# KiCad board RefleXion Grid.kicad_pcb
title: RefleXion - Ortho 65 Matrix; date: 2022-09-26; rev: 1.0.0; company: Tweety's Wild Thinking; note: Design: Markus Knutsson <markus.knutsson@tweety.se>; note: Concept: Pedro Quaresma <pq@live.ie>; note: https://github.com/TweetyDaBird; note: Licensed under Creative Commons BY-SA 4.0 International
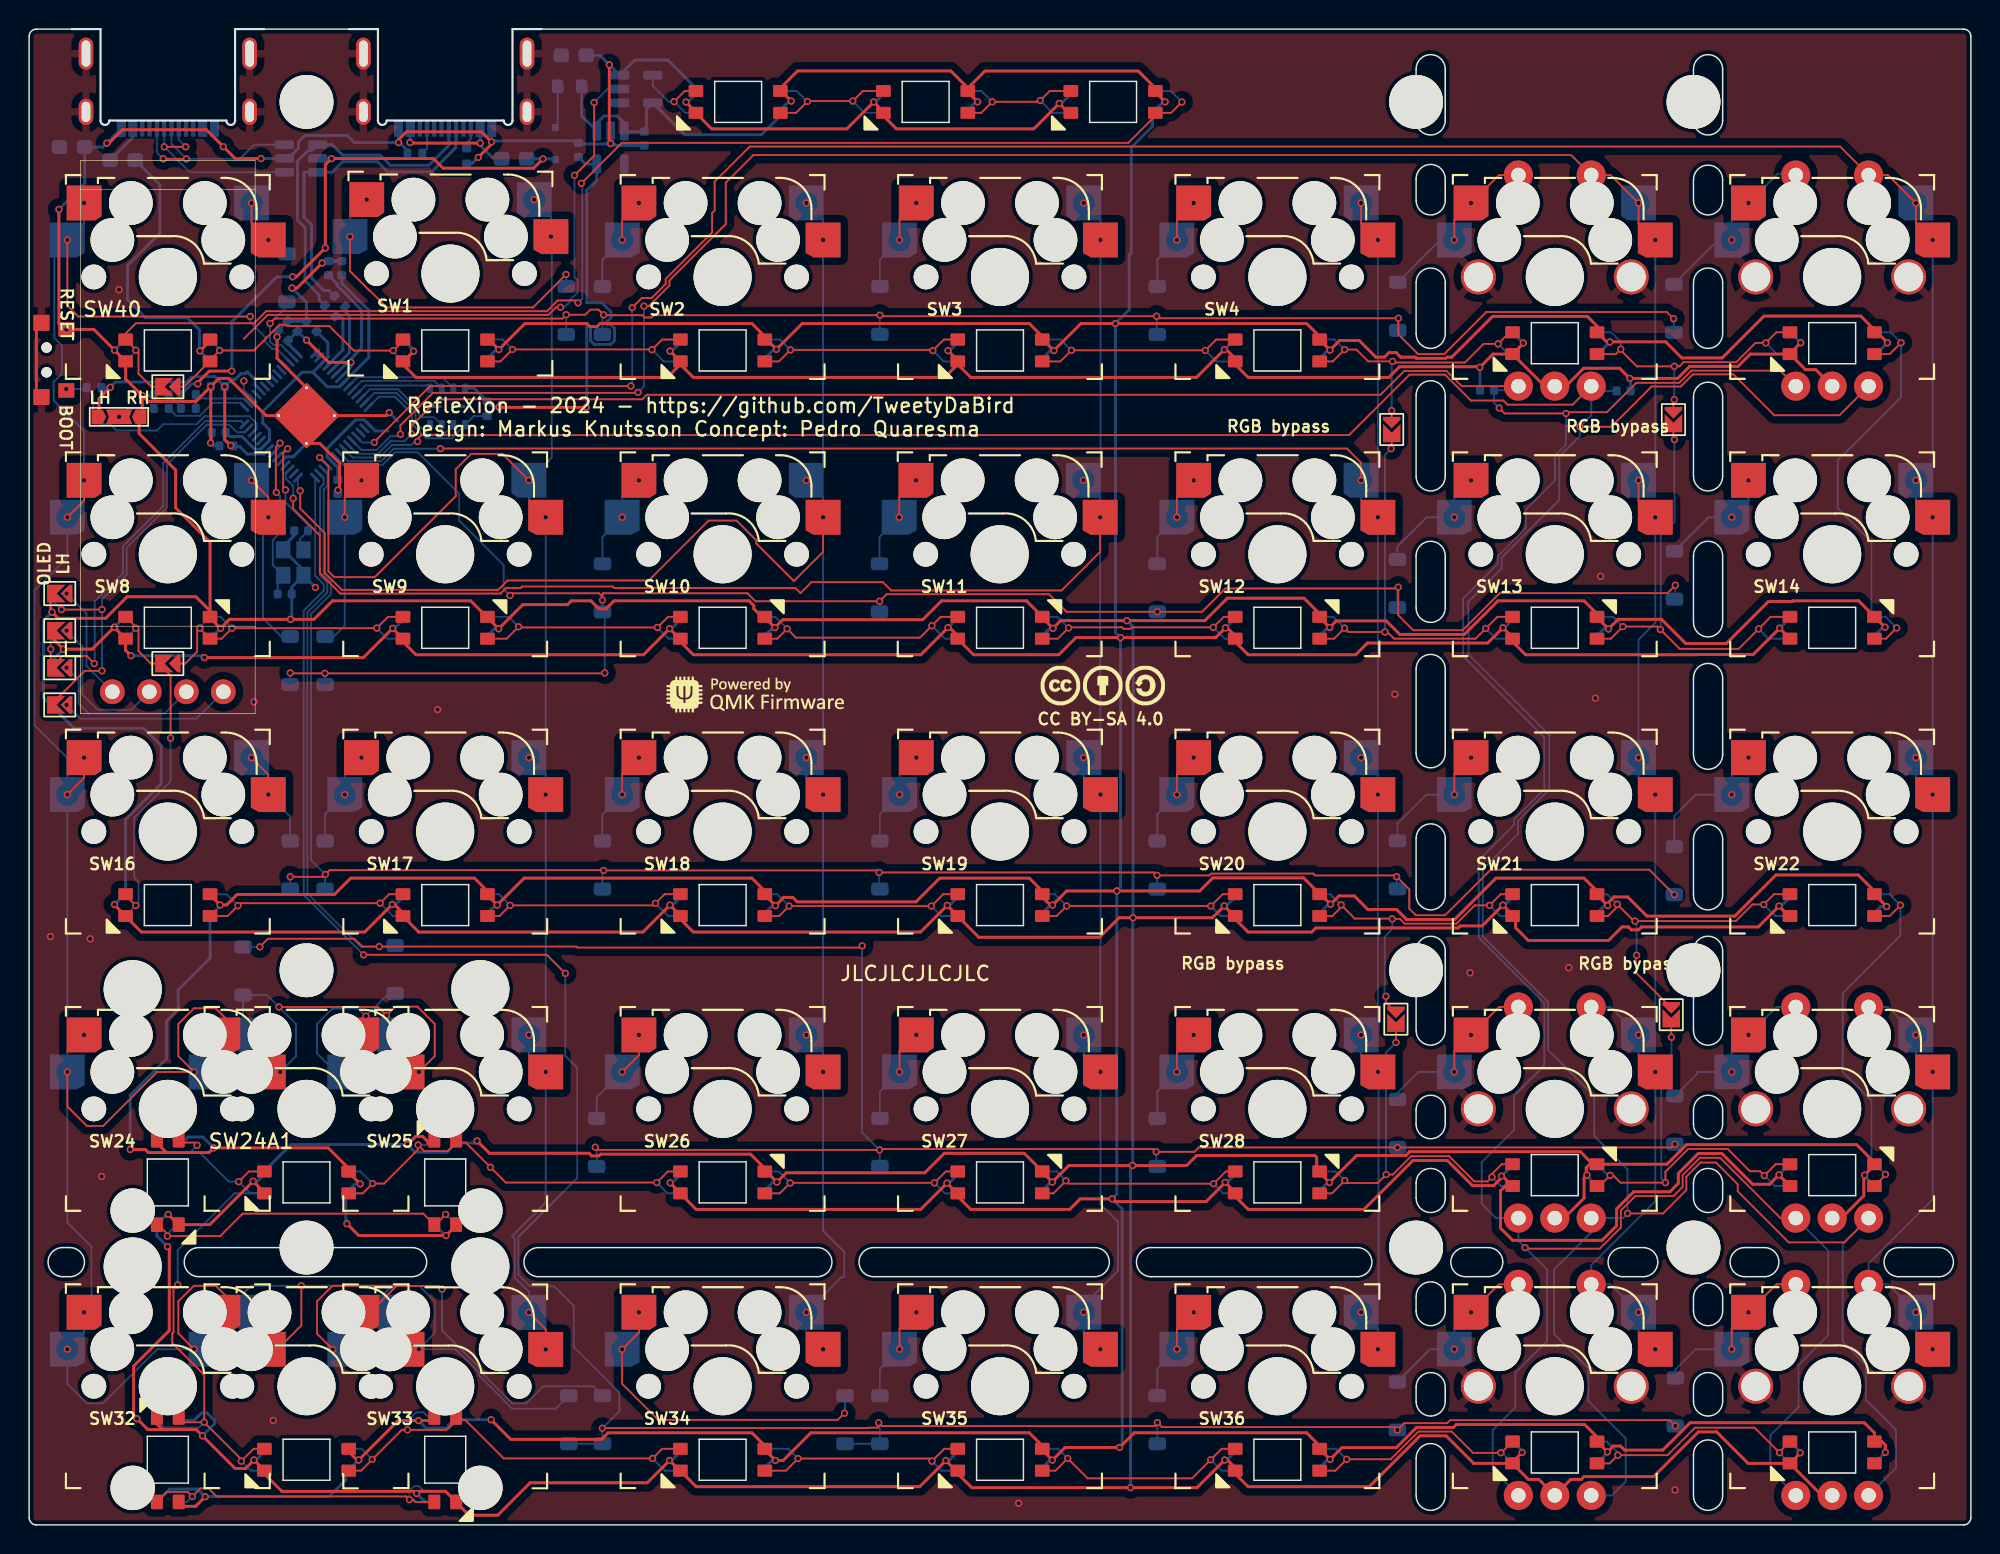
[diagram p0: board, top side]
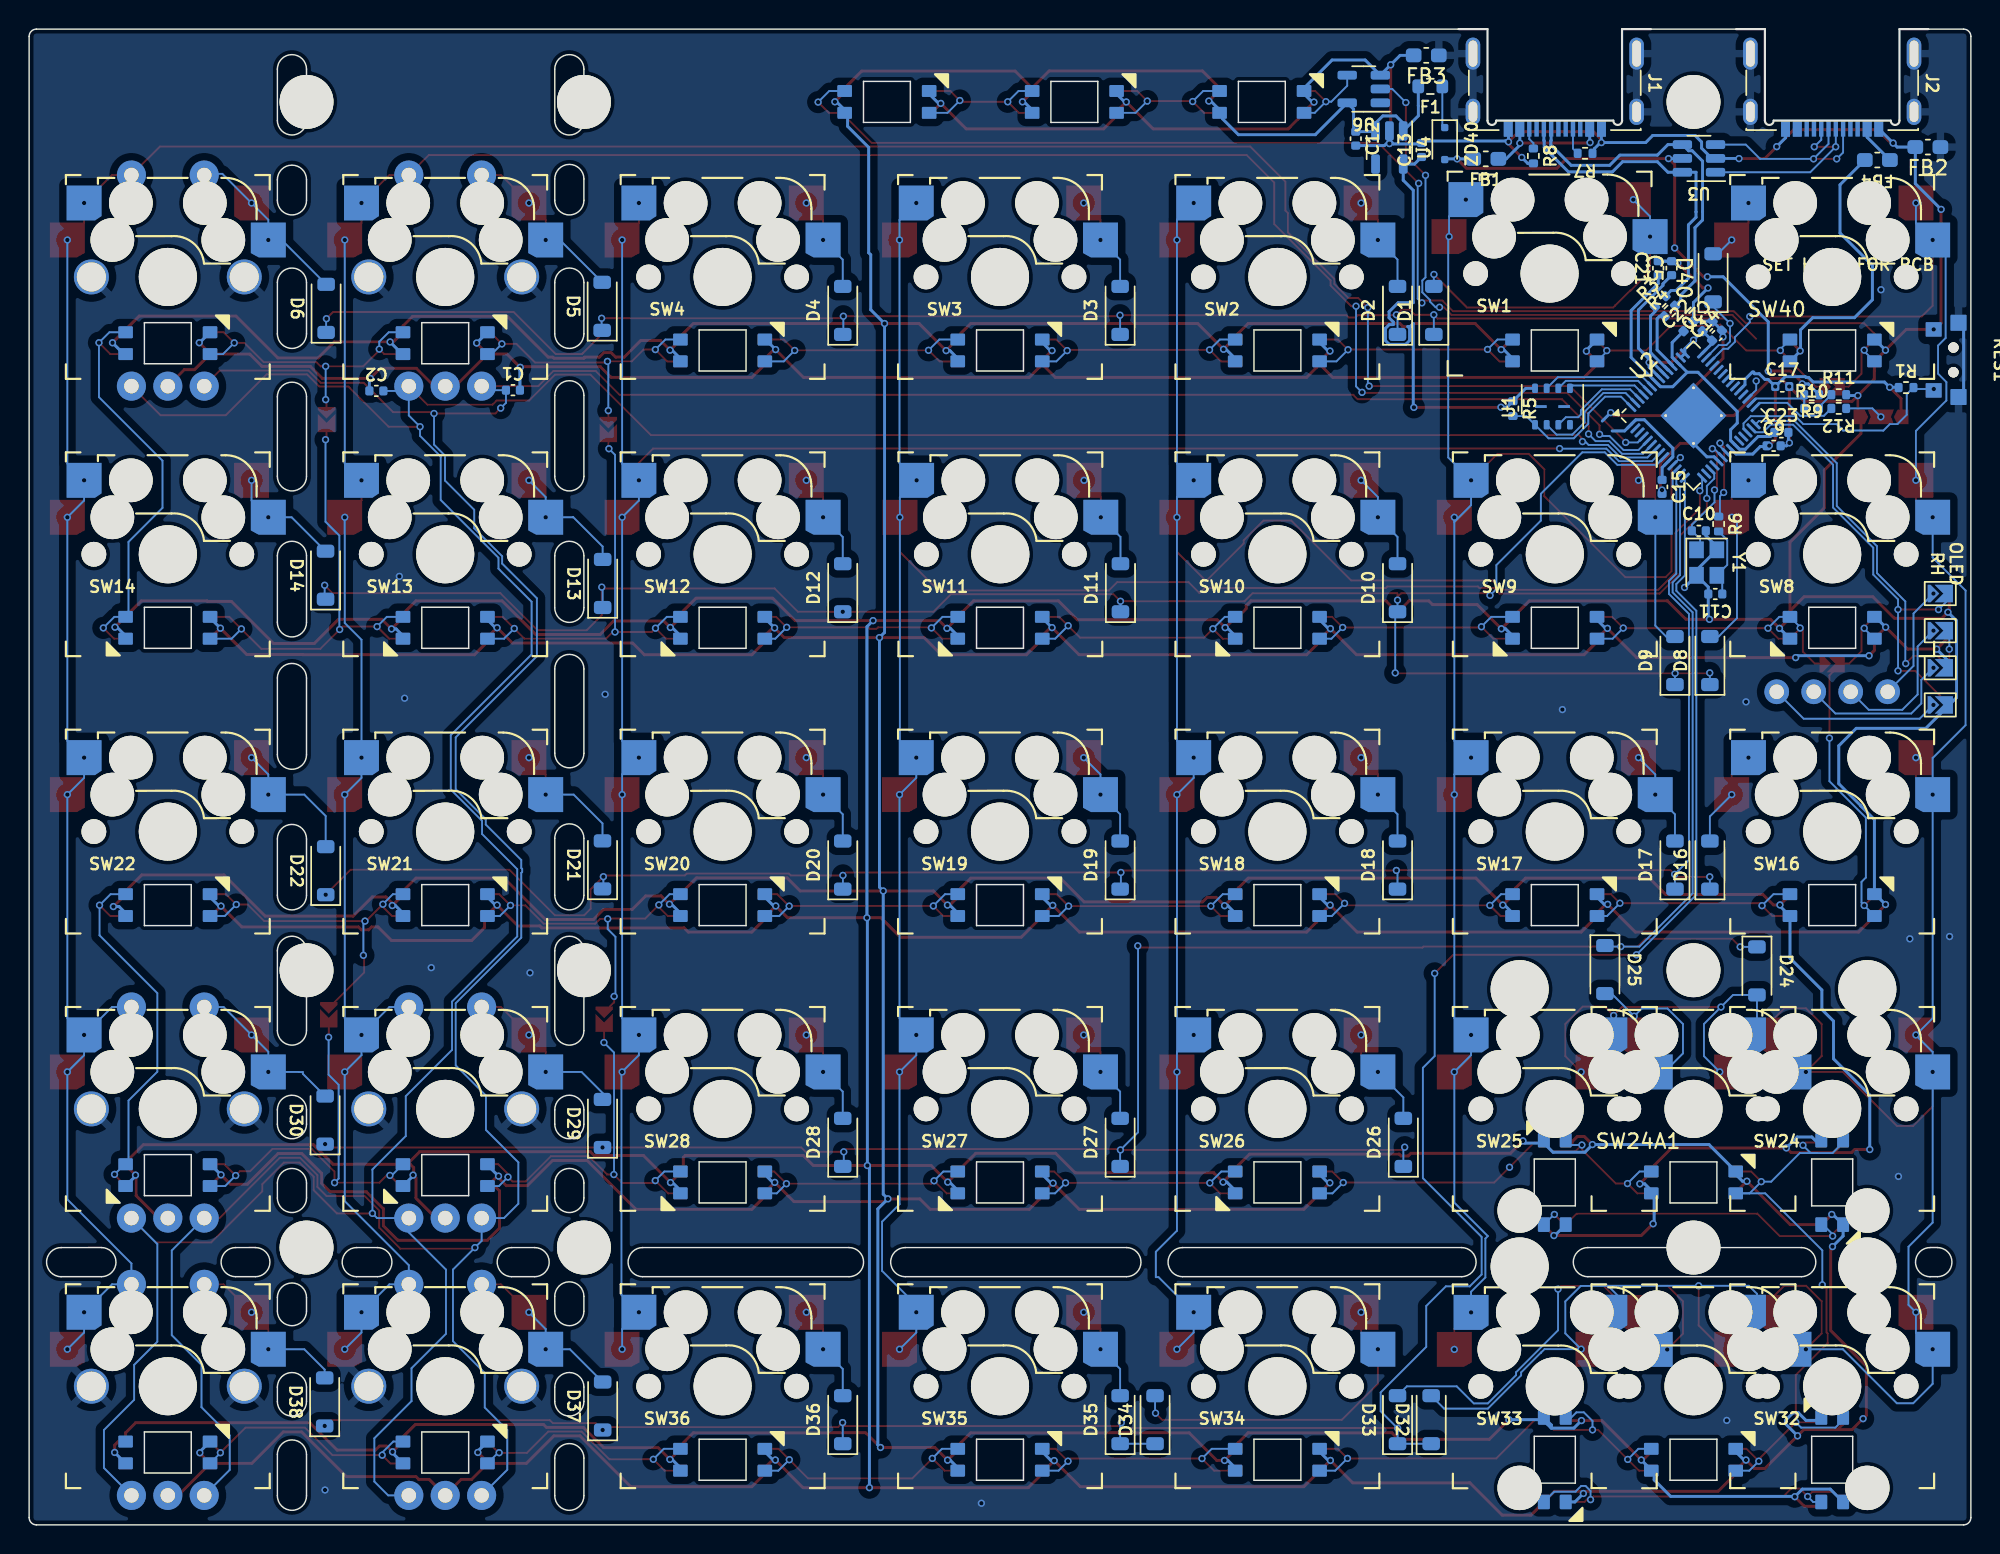
[diagram p1: board, bottom side, seen from below]

Outline 133.35 x 102.75 mm; copper layers: Top, Bottom. Coordinates in mm from the lower left corner of the outline.
Outline path: 2.3,17.05 arc(1.3,18.05) 2.3,19.05 2.8,19.05 arc(3.8,18.05) 2.8,17.05 2.3,17.05 ; 2.93,102.75 0.5,102.75 arc(0.15,102.6) 0,102.25 0,0.5 arc(0.15,0.15) 0.5,0 132.85,0 arc(133.2,0.15) 133.35,0.5 133.35,102.25 arc(133.2,102.6) 132.85,102.75 35.18,102.75 ; 21.98,102.75 16.13,102.75 ; 97.25,23.49 arc(96.25,24.49) 95.25,23.49 95.25,22.46 arc(96.25,21.46) 97.25,22.46 97.25,23.48 ; 11.65,19.05 26.3,19.05 arc(27.3,18.05) 26.3,17.05 11.65,17.05 arc(10.65,18.05) 11.65,19.05 ; 34.98,19.05 54.13,19.05 arc(55.13,18.05) 54.13,17.05 34.98,17.05 arc(33.98,18.05) 34.98,19.05 ; 57.99,19.05 73.18,19.05 arc(74.18,18.05) 73.18,17.05 57.99,17.05 arc(56.99,18.05) 57.99,19.05 ; 77.04,19.05 91.22,19.05 arc(92.22,18.05) 91.22,17.05 77.04,17.05 arc(76.04,18.05) 77.04,19.05 ; 95.25,100 arc(96.25,101) 97.25,100 97.25,96.48 arc(96.25,95.48) 95.25,96.48 95.25,100 ; 95.25,92.46 arc(96.25,93.46) 97.25,92.46 97.25,90.99 arc(96.25,89.99) 95.25,90.99 95.25,92.46 ; 95.25,85.34 arc(96.25,86.34) 97.25,85.34 97.25,81.82 arc(96.25,80.82) 95.25,81.82 95.25,85.34 ; 95.25,77.6 arc(96.25,78.6) 97.25,77.6 97.25,72.03 arc(96.25,71.03) 95.25,72.03 95.25,77.6 ; 95.25,66.57 arc(96.25,67.57) 97.25,66.57 97.25,63 arc(96.25,62) 95.25,63 95.25,66.57 ; 95.25,58.8 arc(96.25,59.8) 97.25,58.8 97.25,53.01 arc(96.25,52.01) 95.25,53.01 95.25,58.8 ; 95.25,47.16 arc(96.25,48.16) 97.25,47.16 97.25,43.25 arc(96.25,42.25) 95.25,43.25 95.25,47.16 ; 95.25,39.44 arc(96.25,40.44) 97.25,39.44 97.25,33.96 arc(96.25,32.96) 95.25,33.96 95.25,39.44 ; 95.25,15.7 95.25,14.68 arc(96.25,13.68) 97.25,14.68 97.25,15.7 arc(96.25,16.7) 95.25,15.7 ; 95.25,28.51 95.25,27.53 arc(96.25,26.53) 97.25,27.53 97.25,28.51 arc(96.25,29.52) 95.25,28.51 ; 95.25,9.46 95.25,8.48 arc(96.25,7.48) 97.25,8.48 97.25,9.46 arc(96.25,10.47) 95.25,9.46 ; 95.25,4.59 95.25,2 arc(96.25,1) 97.25,2 97.25,4.59 arc(96.25,5.59) 95.25,4.59 ; 98.63,19.05 100.21,19.05 arc(101.21,18.05) 100.21,17.05 98.63,17.05 arc(97.63,18.05) 98.63,19.05 ; 109.43,19.05 110.85,19.05 arc(111.85,18.05) 110.85,17.05 109.43,17.05 arc(108.43,18.05) 109.43,19.05 ; 114.3,92.41 arc(115.3,93.41) 116.3,92.41 116.3,90.99 arc(115.3,89.99) 114.3,90.99 114.3,92.41 ; 114.3,100 arc(115.3,101) 116.3,100 116.3,96.48 arc(115.3,95.48) 114.3,96.48 114.3,100 ; 114.3,85.34 arc(115.3,86.34) 116.3,85.34 116.3,81.82 arc(115.3,80.82) 114.3,81.82 114.3,85.34 ; 114.3,77.5 arc(115.3,78.5) 116.3,77.5 116.3,72.03 arc(115.3,71.03) 114.3,72.03 114.3,77.5 ; 114.3,66.57 arc(115.3,67.57) 116.3,66.57 116.3,62 arc(115.3,61) 114.3,62 114.3,66.57 ; 114.3,58.18 arc(115.3,59.18) 116.3,58.18 116.3,52.91 arc(115.3,51.91) 114.3,52.91 114.3,58.18 ; 114.3,47.12 arc(115.3,48.12) 116.3,47.12 116.3,43.25 arc(115.3,42.25) 114.3,43.25 114.3,47.12 ; 114.3,39.44 arc(115.3,40.44) 116.3,39.44 116.3,33.96 arc(115.3,32.96) 114.3,33.96 114.3,39.44 ; 114.3,14.68 114.3,15.62 arc(115.3,16.62) 116.3,15.62 116.3,14.68 arc(115.3,13.68) 114.3,14.68 ; 114.3,23.49 114.3,22.46 arc(115.3,21.46) 116.3,22.46 116.3,23.49 arc(115.3,24.49) 114.3,23.49 ; 114.3,2 114.3,4.84 arc(115.3,5.84) 116.3,4.84 116.3,2 arc(115.3,1) 114.3,2 ; 114.3,28.51 114.3,27.53 arc(115.3,26.53) 116.3,27.53 116.3,28.51 arc(115.3,29.52) 114.3,28.51 ; 114.3,9.46 114.3,8.48 arc(115.3,7.48) 116.3,8.48 116.3,9.46 arc(115.3,10.47) 114.3,9.46 ; 117.81,17.05 arc(116.81,18.05) 117.81,19.05 119.17,19.05 arc(120.17,18.05) 119.17,17.05 117.81,17.05 ; 128.39,19.05 131.15,19.05 arc(132.15,18.05) 131.15,17.05 128.39,17.05 arc(127.39,18.05) 128.39,19.05
Stack: Top 0.035mm / dielectric 1.51mm FR4 er 4.5 / Bottom 0.035mm

## Placement (name value [footprint] x y rotation side)
C1  100nF  [C_0402_1005Metric]  100.12 77.95 180 bottom
C2  100nF  [C_0402_1005Metric]  109.5 77.9 180 bottom
C5  100nF  [C_0402_1005Metric]  20.55 86.33 90 bottom
C9  100nF  [C_0402_1005Metric]  13.54 74.13 180 bottom
C10  30pF  [C_0402_1005Metric]  18.68 68.29 180 bottom
C11  30pF  [C_0402_1005Metric]  17.55 63.95 0 bottom
C12  1uF  [C_0402_1005Metric]  42.24 95.23 270 bottom
C13  1uF  [C_0402_1005Metric]  37.72 94.45 90 bottom
C14  1uF  [C_0402_1005Metric]  17.43 81.7 135 bottom
C15  100nF  [C_0402_1005Metric]  21.2 71.31 270 bottom
C17  100nF  [C_0402_1005Metric]  12.95 78.2 180 bottom
C20  100nF  [C_0402_1005Metric]  18.08 82.35 135 bottom
C21  1uF  [C_0402_1005Metric]  21.47 86.33 90 bottom
C22  100nF  [C_0402_1005Metric]  19.39 82.34 135 bottom
C23  100nF  [C_0402_1005Metric]  13.01 75.05 180 bottom
D1  1N4148W  [D_SOD-123]  36.88 83.43 90 bottom
D2  1N4148W  [D_SOD-123]  39.38 83.43 90 bottom
D3  1N4148W  [D_SOD-123]  58.43 83.43 90 bottom
D4  1N4148W  [D_SOD-123]  77.47 83.43 90 bottom
D5  1N4148W  [D_SOD-123]  93.99 83.71 90 bottom
D6  1N4148W  [D_SOD-123]  112.95 83.57 90 bottom
D8  1N4148W  [D_SOD-123]  17.92 59.38 90 bottom
D9  1N4148W  [D_SOD-123]  20.33 59.38 90 bottom
D10  1N4148W  [D_SOD-123]  39.38 64.38 90 bottom
D11  1N4148W  [D_SOD-123]  58.4 64.38 90 bottom
D12  1N4148W  [D_SOD-123]  77.47 64.38 90 bottom
D13  1N4148W  [D_SOD-123]  93.96 64.67 90 bottom
D14  1N4148W  [D_SOD-123]  112.99 65.24 90 bottom
D16  1N4148W  [D_SOD-123]  17.92 45.33 90 bottom
D17  1N4148W  [D_SOD-123]  20.33 45.33 90 bottom
D18  1N4148W  [D_SOD-123]  39.38 45.33 90 bottom
D19  1N4148W  [D_SOD-123]  58.43 45.33 90 bottom
D20  1N4148W  [D_SOD-123]  77.47 45.33 90 bottom
D21  1N4148W  [D_SOD-123]  93.97 45.34 90 bottom
D22  1N4148W  [D_SOD-123]  112.98 44.94 90 bottom
D24  1N4148W  [D_SOD-123]  14.69 38.05 270 bottom
D25  1N4148W  [D_SOD-123]  25.13 38.15 270 bottom
D26  1N4148W  [D_SOD-123]  38.98 26.28 90 bottom
D27  1N4148W  [D_SOD-123]  58.43 26.28 90 bottom
D28  1N4148W  [D_SOD-123]  77.47 26.28 90 bottom
D29  1N4148W  [D_SOD-123]  93.97 27.58 90 bottom
D30  1N4148W  [D_SOD-123]  113.02 27.81 90 bottom
D32  1N4148W  [D_SOD-123]  37.06 7.23 90 bottom
D33  1N4148W  [D_SOD-123]  39.38 7.23 90 bottom
D34  1N4148W  [D_SOD-123]  56.03 7.23 90 bottom
D35  1N4148W  [D_SOD-123]  58.43 7.23 90 bottom
D36  1N4148W  [D_SOD-123]  77.47 7.23 90 bottom
D37  1N4148W  [D_SOD-123]  93.96 8.17 90 bottom
D38  1N4148W  [D_SOD-123]  113.05 8.45 90 bottom
D40  1N4148W  [D_SOD-123]  17.7 85.67 90 bottom
F1  CF06V5TR50  [R_0603_1608Metric]  37.12 98.82 0 bottom
FB1  BLM18SG700TZ1D  [C_0603_1608Metric_Pad1.08x0.95mm_HandSolder]  33.31 93.84 0 bottom
FB2  BLM18SG700TZ1D  [C_0603_1608Metric_Pad1.08x0.95mm_HandSolder]  2.95 94.65 0 bottom
FB3  BLM18SG700TZ1D  [C_0603_1608Metric_Pad1.08x0.95mm_HandSolder]  37.4 100.95 0 bottom
FB4  BLM18SG700TZ1D  [C_0603_1608Metric_Pad1.08x0.95mm_HandSolder]  6.42 93.76 0 bottom
H1  Spacer_PCB  [Spacer PCB hole]  19.05 97.75 0 top
H2  Spacer_PCB  [Spacer PCB hole]  95.25 97.75 0 top
H3  Spacer_PCB  [Spacer PCB hole]  114.3 97.75 0 top
H4  Spacer_PCB  [Spacer PCB hole]  19.05 38.1 0 top
H4#2  Spacer_PCB  [Spacer PCB hole]  19.05 19.05 0 top
H6  Spacer_PCB  [Spacer PCB hole]  95.25 38.1 0 top
H7  Spacer_PCB  [Spacer PCB hole]  114.3 38.1 0 top
H8  Spacer_PCB  [Spacer PCB hole]  114.3 19.05 0 top
H9  Spacer_PCB  [Spacer PCB hole]  95.25 19.05 0 top
J1  USB_C_Receptacle_USB2.0  [Molex-216990_GCT-USB45xx_HRO-TYPE-C-31-M-13x-PiMicro]  28.58 102.25 0 bottom
J2  USB_C_Receptacle_USB2.0  [Molex-216990_GCT-USB45xx_HRO-TYPE-C-31-M-13x-PiMicro]  9.53 102.25 0 bottom
JP1  Jumper_2_Open  [Jumper_min_v2]  2.1 63.98 0 bottom
JP2  Jumper_2_Open  [Jumper_min_v2]  2.1 61.43 0 bottom
JP3  Jumper_2_Open  [Jumper_min_v2]  2.1 58.88 0 bottom
JP4  Jumper_2_Open  [Jumper_min_v2]  2.1 56.33 0 bottom
JP5  Jumper_2_Open  [Jumper_min_v2]  2.1 63.98 0 top
JP6  Jumper_2_Open  [Jumper_min_v2]  2.1 61.43 0 top
JP7  Jumper_2_Open  [Jumper_min_v2]  2.1 58.88 0 top
JP8  Jumper_2_Open  [Jumper_min_v2]  2.1 56.33 0 top
JP12  Jumper_3_Open  [SolderJumper-3_open_mini]  6.18 76.12 180 top
JP15  Jumper_2_Open  [Jumper_min_v2]  112.92 75.93 90 top
JP16  Jumper_2_Open  [Jumper_min_v2]  93.57 75.25 90 top
JP17  Jumper_2_Open  [Jumper_min_v2]  93.86 34.74 90 top
JP18  Jumper_2_Open  [Jumper_min_v2]  112.77 35.05 90 top
JP19  Jumper_2_Open  [Jumper_min_v2]  9.53 78.19 0 top
JP20  Jumper_2_Open  [Jumper_min_v2]  9.53 59.17 0 top
LED1  SK6812MINI-E  [MX_SK6812MINI-E_REVERSIBLE_SMALL_PAD]  28.58 80.68 180 top
LED2  SK6812MINI-E  [MX_SK6812MINI-E_REVERSIBLE_SMALL_PAD]  47.62 80.68 180 top
LED3  SK6812MINI-E  [MX_SK6812MINI-E_REVERSIBLE_SMALL_PAD]  66.68 80.68 180 top
LED4  SK6812MINI-E  [MX_SK6812MINI-E_REVERSIBLE_SMALL_PAD]  85.72 80.68 180 top
LED5  SK6812MINI-E  [MX_SK6812MINI-E_REVERSIBLE_SMALL_PAD]  104.78 81.18 180 top
LED6  SK6812MINI-E  [MX_SK6812MINI-E_REVERSIBLE_SMALL_PAD]  123.83 81.18 180 top
LED8  SK6812MINI-E  [MX_SK6812MINI-E_REVERSIBLE_SMALL_PAD]  9.53 61.63 0 top
LED9  SK6812MINI-E  [MX_SK6812MINI-E_REVERSIBLE_SMALL_PAD]  28.58 61.63 0 top
LED10  SK6812MINI-E  [MX_SK6812MINI-E_REVERSIBLE_SMALL_PAD]  47.62 61.63 0 top
LED11  SK6812MINI-E  [MX_SK6812MINI-E_REVERSIBLE_SMALL_PAD]  66.68 61.63 0 top
LED12  SK6812MINI-E  [MX_SK6812MINI-E_REVERSIBLE_SMALL_PAD]  85.72 61.63 0 top
LED13  SK6812MINI-E  [MX_SK6812MINI-E_REVERSIBLE_SMALL_PAD]  104.78 61.63 0 top
LED14  SK6812MINI-E  [MX_SK6812MINI-E_REVERSIBLE_SMALL_PAD]  123.83 61.63 0 top
LED16  SK6812MINI-E  [MX_SK6812MINI-E_REVERSIBLE_SMALL_PAD]  9.53 42.58 180 top
LED17  SK6812MINI-E  [MX_SK6812MINI-E_REVERSIBLE_SMALL_PAD]  28.58 42.58 180 top
LED18  SK6812MINI-E  [MX_SK6812MINI-E_REVERSIBLE_SMALL_PAD]  47.62 42.58 180 top
LED19  SK6812MINI-E  [MX_SK6812MINI-E_REVERSIBLE_SMALL_PAD]  66.68 42.58 180 top
LED20  SK6812MINI-E  [MX_SK6812MINI-E_REVERSIBLE_SMALL_PAD]  85.72 42.58 180 top
LED21  SK6812MINI-E  [MX_SK6812MINI-E_REVERSIBLE_SMALL_PAD]  104.78 42.58 180 top
LED22  SK6812MINI-E  [MX_SK6812MINI-E_REVERSIBLE_SMALL_PAD]  123.83 42.58 180 top
LED24  SK6812MINI-E  [MX_SK6812MINI-E_REVERSIBLE_SMALL_PAD]  9.53 23.53 270 top
LED24A1  SK6812MINI-E  [MX_SK6812MINI-E_REVERSIBLE_SMALL_PAD]  19.05 23.53 180 top
LED25  SK6812MINI-E  [MX_SK6812MINI-E_REVERSIBLE_SMALL_PAD]  28.58 23.53 90 top
LED26  SK6812MINI-E  [MX_SK6812MINI-E_REVERSIBLE_SMALL_PAD]  47.62 23.53 0 top
LED27  SK6812MINI-E  [MX_SK6812MINI-E_REVERSIBLE_SMALL_PAD]  66.68 23.53 0 top
LED28  SK6812MINI-E  [MX_SK6812MINI-E_REVERSIBLE_SMALL_PAD]  85.72 23.53 0 top
LED29  SK6812MINI-E  [MX_SK6812MINI-E_REVERSIBLE_SMALL_PAD]  104.78 24.03 0 top
LED30  SK6812MINI-E  [MX_SK6812MINI-E_REVERSIBLE_SMALL_PAD]  123.83 24.03 0 top
LED32  SK6812MINI-E  [MX_SK6812MINI-E_REVERSIBLE_SMALL_PAD]  9.53 4.48 90 top
LED32A1  SK6812MINI-E  [MX_SK6812MINI-E_REVERSIBLE_SMALL_PAD]  19.05 4.48 180 top
LED33  SK6812MINI-E  [MX_SK6812MINI-E_REVERSIBLE_SMALL_PAD]  28.58 4.48 270 top
LED34  SK6812MINI-E  [MX_SK6812MINI-E_REVERSIBLE_SMALL_PAD]  47.62 4.48 180 top
LED35  SK6812MINI-E  [MX_SK6812MINI-E_REVERSIBLE_SMALL_PAD]  66.68 4.48 180 top
LED36  SK6812MINI-E  [MX_SK6812MINI-E_REVERSIBLE_SMALL_PAD]  85.72 4.48 180 top
LED37  SK6812MINI-E  [MX_SK6812MINI-E_REVERSIBLE_SMALL_PAD]  104.78 4.98 180 top
LED38  SK6812MINI-E  [MX_SK6812MINI-E_REVERSIBLE_SMALL_PAD]  123.83 4.98 180 top
LED40  SK6812MINI-E  [MX_SK6812MINI-E_REVERSIBLE_SMALL_PAD]  9.53 80.68 180 bottom
LED44  SK6812MINI-E  [MX_SK6812MINI-E_REVERSIBLE_SMALL_PAD]  48.69 97.75 180 top
LED45  SK6812MINI-E  [MX_SK6812MINI-E_REVERSIBLE_SMALL_PAD]  61.57 97.75 180 top
LED46  SK6812MINI-E  [MX_SK6812MINI-E_REVERSIBLE_SMALL_PAD]  74.44 97.75 180 top
Logo1  CC-BY-SA-4.0  [CC_BY_SA_40_line]  82.77 57.74 0 top
Logo2  QMK_Logo  [Powered_by_QMK]  49.89 57.06 0 top
OLED1  OLED_4pin  [SSD1306-0.91-OLED-4pin-128x32]  9.53 75.73 270 top
R1  10K  [R_0402_1005Metric]  4.45 78.13 180 bottom
R3  27R  [R_0402_1005Metric]  21.34 84.05 135 bottom
R4  27R  [R_0402_1005Metric]  20.67 83.38 135 bottom
R5  10K  [R_0402_1005Metric]  31.45 76.68 270 bottom
R6  1K  [R_0402_1005Metric]  17.32 68.76 270 bottom
R7  5.1K  [R_0402_1005Metric]  26.49 94.22 0 bottom
R8  5.1K  [R_0402_1005Metric]  30.04 94.04 270 bottom
R9  68K  [R_0402_1005Metric]  10.93 77.64 0 bottom
R10  68K  [R_0402_1005Metric]  10.93 76.7 180 bottom
R11  68K  [R_0402_1005Metric]  9.07 77.64 180 bottom
R12  10K  [R_0402_1005Metric]  9.07 76.7 0 bottom
RES1  YTSA010  [YTS-A002]  1.2 80.03 270 bottom
RES2  YTSA010  [YTS-A002]  1.2 80.03 90 top
ST1  Stabilizer_2u_MX  [Stabilizer_Cherry_MX_2.00u]  19.05 28.58 180 top
ST2  Stabilizer_2u_MX  [Stabilizer_Cherry_MX_2.00u]  19.05 9.53 180 top
SW1  SW_Push  [SW_MX_HotSwap_Reversible]  28.93 85.96 0 top
SW2  SW_Push  [SW_MX_HotSwap_Reversible]  47.62 85.73 0 top
SW3  SW_Push  [SW_MX_HotSwap_Reversible]  66.68 85.73 0 top
SW4  SW_Push  [SW_MX_HotSwap_Reversible]  85.72 85.73 0 top
SW5  SW_Push  [SW_MX_HotSwap_Reversible_Encoder]  104.78 85.73 0 top
SW6  SW_Push  [SW_MX_HotSwap_Reversible_Encoder]  123.83 85.73 0 top
SW8  SW_Push  [SW_MX_HotSwap_Reversible]  9.53 66.68 0 top
SW9  SW_Push  [SW_MX_HotSwap_Reversible]  28.57 66.68 0 top
SW10  SW_Push  [SW_MX_HotSwap_Reversible]  47.62 66.68 0 top
SW11  SW_Push  [SW_MX_HotSwap_Reversible]  66.65 66.68 0 top
SW12  SW_Push  [SW_MX_HotSwap_Reversible]  85.72 66.68 0 top
SW13  SW_Push  [SW_MX_HotSwap_Reversible]  104.78 66.68 0 top
SW14  SW_Push  [SW_MX_HotSwap_Reversible]  123.83 66.68 0 top
SW16  SW_Push  [SW_MX_HotSwap_Reversible]  9.53 47.63 0 top
SW17  SW_Push  [SW_MX_HotSwap_Reversible]  28.58 47.63 0 top
SW18  SW_Push  [SW_MX_HotSwap_Reversible]  47.62 47.63 0 top
SW19  SW_Push  [SW_MX_HotSwap_Reversible]  66.68 47.63 0 top
SW20  SW_Push  [SW_MX_HotSwap_Reversible]  85.72 47.63 0 top
SW21  SW_Push  [SW_MX_HotSwap_Reversible]  104.78 47.63 0 top
SW22  SW_Push  [SW_MX_HotSwap_Reversible]  123.83 47.63 0 top
SW24  SW_Push  [SW_MX_HotSwap_Reversible]  9.53 28.58 0 top
SW24A1  SW_Push  [SW_MX_HotSwap_Reversible]  19.05 28.58 0 top
SW25  SW_Push  [SW_MX_HotSwap_Reversible]  28.58 28.58 0 top
SW26  SW_Push  [SW_MX_HotSwap_Reversible]  47.62 28.58 0 top
SW27  SW_Push  [SW_MX_HotSwap_Reversible]  66.68 28.58 0 top
SW28  SW_Push  [SW_MX_HotSwap_Reversible]  85.72 28.58 0 top
SW29  SW_Push  [SW_MX_HotSwap_Reversible_Encoder]  104.78 28.58 0 top
SW30  SW_Push  [SW_MX_HotSwap_Reversible_Encoder]  123.83 28.58 0 top
SW32  SW_Push  [SW_MX_HotSwap_Reversible]  9.53 9.53 0 top
SW32A1  SW_Push  [SW_MX_HotSwap_Reversible]  19.05 9.53 0 top
SW33  SW_Push  [SW_MX_HotSwap_Reversible]  28.58 9.52 0 top
SW34  SW_Push  [SW_MX_HotSwap_Reversible]  47.62 9.53 0 top
SW35  SW_Push  [SW_MX_HotSwap_Reversible]  66.68 9.53 0 top
SW36  SW_Push  [SW_MX_HotSwap_Reversible]  85.72 9.53 0 top
SW37  SW_Push  [SW_MX_HotSwap_Reversible_Encoder]  104.78 9.53 0 top
SW38  SW_Push  [SW_MX_HotSwap_Reversible_Encoder]  123.83 9.53 0 top
SW40  SW_Push  [SW_MX_HotSwap_Reversible]  9.53 85.73 0 top
U1  W25Q32JVUUIQ  [USON-8_4x3mm_P0.8mm]  28.73 76.82 90 bottom
U2  RP2040  [QFN-56-1EP_7x7mm_P0.4mm_EP3.2x3.2mm_ThermalVias]  19.05 76.2 135 bottom
U3  SRV05-4  [SOT-23-6]  18.67 93.87 0 bottom
U4  SPX3819M5-L-3-3/TR  [SOT-23-5]  39.93 94.62 270 bottom
U6  SN74LV1T34DBV  [SOT-23-5]  41.69 98.64 0 bottom
Y1  TXM12M0004252LBCEO00T  [Crystal_SMD_2520-4Pin_2.5x2.0mm]  18.14 66.11 270 bottom
ZD40  1N5819WS  [D_SOD-323F]  36.13 94.89 270 bottom

## Library data of the parts
C1 C2 C10-C14 C21 = -: ki_fp_filters: C_*
C5 C9 C15 C17 C20 C22 C23 = -: LCSC: C513772; ki_fp_filters: C_*
D1-D6 D8-D14 D16-D22 D24-D30 D32-D38 D40 = -: Datasheet: https://www.vishay.com/docs/85748/1n4148w.pdf; Sim.Device: D; Sim.Pins: 1=K 2=A; ki_fp_filters: D*SOD?123*
F1 = -: LCSC: C163116; ki_fp_filters: *polyfuse* *PTC*
FB1-FB4 = -: LCSC: C882974; ki_fp_filters: Inductor_* L_* *Ferrite*
J1 J2 = -: Datasheet: https://www.usb.org/sites/default/files/documents/usb_type-c.zip; LCSC: C165948; ki_fp_filters: USB*C*Receptacle*
JP1-JP8 JP15-JP20 = -: ki_fp_filters: Jumper* TestPoint*2Pads* TestPoint*Bridge*
JP12 = -: ki_fp_filters: Jumper* TestPoint*3Pads* TestPoint*Bridge*
LED1-LED6 LED8-LED14 LED16-LED22 LED24 LED24A1 LED25-LED30 LED32 LED32A1 LED33-LED38 LED40 LED44-LED46 = -: Datasheet: https://cdn-shop.adafruit.com/product-files/2686/SK6812MINI_REV.01-1-2.pdf; ki_fp_filters: LED*SK6812MINI*PLCC*3.5x3.5mm*P1.75mm*
OLED1 = -: ki_fp_filters: Connector*:*_1x??_*
R1 R5 = -: LCSC: C2078429; ki_fp_filters: R_*
R3 R4 = -: LCSC: C1701143; ki_fp_filters: R_*
R6 R12 = -: LCSC: C2139907; ki_fp_filters: R_*
R7-R11 = -: LCSC: C2075916; ki_fp_filters: R_*
RES1 RES2 = -: LCSC: C2888934
SW5 SW6 SW29 SW30 SW37 SW38 = -: Description: Rotary encoder, dual channel, incremental quadrate outputs, with switch; ki_fp_filters: RotaryEncoder*Switch*
U1 = -: Datasheet: http://www.winbond.com/resource-files/w25q32jv%20revg%2003272018%20plus.pdf; LCSC: C2999380; ki_fp_filters: SOIC*5.23x5.23mm*P1.27mm*
U2 = -: Datasheet: https://datasheets.raspberrypi.com/rp2040/rp2040-datasheet.pdf; LCSC: C2040; ki_fp_filters: QFN*1EP*7x7mm?P0.4mm*
U3 = -: Datasheet: http://www.onsemi.com/pub/Collateral/SRV05-4-D.PDF; LCSC: C558418; ki_fp_filters: SOT?23*
U4 = -: Datasheet: https://www.exar.com/content/document.ashx?id=22106&languageid=1033&type=Datasheet&partnumber=SPX3819&filename=SPX3819.pdf&part=SPX3819; LCSC: C9055; ki_fp_filters: SOT?23*
U6 = -: Datasheet: https://www.ti.com/lit/ds/symlink/sn74lv1t34.pdf; LCSC: C100024; ki_fp_filters: SOT?23*
Y1 = -: LCSC: C284156; PartNo: C284156; ki_fp_filters: Crystal*
ZD40 = -: ki_fp_filters: TO-???* *_Diode_* *SingleDiode* D_*

## Footprints (pads in the part's own frame, mm; a bottom-side part is the same pattern mirrored in y, then rotated)
C_0402_1005Metric
  rrect 0.56x0.62 smd: 1(-0.48,0) 2(0.48,0)
C_0603_1608Metric_Pad1.08x0.95mm_HandSolder
  rrect 1.075x0.95 smd: 1(-0.863,0) 2(0.863,0)
Crystal_SMD_2520-4Pin_2.5x2.0mm
  rect 1.15x1 smd: 1(-0.875,-0.7) 2(0.875,-0.7) 3(0.875,0.7) 4(-0.875,0.7)
D_SOD-123
  rrect 0.9x1.2 smd: 1(-1.65,0) 2(1.65,0)
D_SOD-323F
  rrect 0.5x0.5 smd: 1(-1.1,0) 2(1.1,0)
Jumper_min_v2
  custom 1.25x1.2 smd: 1(-0.618,0)
  custom 0.8x1.2 smd: 2(0.468,0)
Molex-216990_GCT-USB45xx_HRO-TYPE-C-31-M-13x-PiMicro
  rect 0.6x1.08 smd: A1(-3.2,6.343) A4(-2.4,6.343) A9(2.4,6.343) A12(3.2,6.343) B1(3.2,6.343) B4(2.4,6.343) B9(-2.4,6.343) B12(-3.2,6.343)
  rect 0.3x1.08 smd: A5(-1.25,6.343) A6(-0.25,6.343) A7(0.25,6.343) A8(1.25,6.343) B5(1.75,6.343) B6(0.75,6.343) B7(-0.75,6.343) B8(-1.75,6.343)
  oval 1x2.2 hole 0.6x1.8: S1(-5.62,1.183) S1(5.62,1.183)
  oval 1x1.8 hole 0.6x1.4: S1(-5.62,5.183) S1(5.62,5.183)
MX_SK6812MINI-E_REVERSIBLE_SMALL_PAD
  rrect 1x0.82 smd far side: 1(-2.9,0.75) 2(-2.9,-0.75) 3(2.9,-0.75) 4(2.9,0.75)
  rrect 1x0.82 smd: 1(-2.9,-0.75) 2(-2.9,0.75) 3(2.9,0.75) 4(2.9,-0.75)
QFN-56-1EP_7x7mm_P0.4mm_EP3.2x3.2mm_ThermalVias
  custom 1.239x1.239 smd: (-0.675,-0.675) (-0.675,0.675) (0.675,-0.675) (0.675,0.675)
  rrect 0.875x0.2 smd: 1(-3.438,2.6) 2(-3.438,2.2) 3(-3.438,1.8) 4(-3.438,1.4) 5(-3.438,1) 6(-3.438,0.6) 7(-3.438,0.2) 8(-3.438,-0.2) 9(-3.438,-0.6) 10(-3.438,-1) 11(-3.438,-1.4) 12(-3.438,-1.8) 13(-3.438,-2.2) 14(-3.438,-2.6) 29(3.438,-2.6) 30(3.438,-2.2) 31(3.438,-1.8) 32(3.438,-1.4) 33(3.438,-1) 34(3.438,-0.6) 35(3.438,-0.2) 36(3.438,0.2) 37(3.438,0.6) 38(3.438,1) 39(3.438,1.4) 40(3.438,1.8) 41(3.438,2.2) 42(3.438,2.6)
  rrect 0.2x0.875 smd: 15(-2.6,-3.438) 16(-2.2,-3.438) 17(-1.8,-3.438) 18(-1.4,-3.438) 19(-1,-3.438) 20(-0.6,-3.438) 21(-0.2,-3.438) 22(0.2,-3.438) 23(0.6,-3.438) 24(1,-3.438) 25(1.4,-3.438) 26(1.8,-3.438) 27(2.2,-3.438) 28(2.6,-3.438) 43(2.6,3.438) 44(2.2,3.438) 45(1.8,3.438) 46(1.4,3.438) 47(1,3.438) 48(0.6,3.438) 49(0.2,3.438) 50(-0.2,3.438) 51(-0.6,3.438) 52(-1,3.438) 53(-1.4,3.438) 54(-1.8,3.438) 55(-2.2,3.438) 56(-2.6,3.438)
  round 0.5 hole 0.2: 57(-1.35,-1.35) 57(-1.35,1.35) 57(1.35,-1.35) 57(1.35,1.35)
  rect 3.2x3.2 smd far side: 57(0,0)
  rect 3.2x3.2 smd: 57(0,0)
R_0402_1005Metric
  rrect 0.54x0.64 smd: 1(-0.51,0) 2(0.51,0)
R_0603_1608Metric
  rrect 0.8x0.95 smd: 1(-0.825,0) 2(0.825,0)
SolderJumper-3_open_mini
  rect 1.42x1 smd: (-1.16,0)
  rect 1.44x1 smd: (1.17,0.01)
  custom 1x1 smd: 1(-1.37,0) 3(1.39,0.01)
  custom 1.8x1 smd: 2(0,0)
SOT-23-5
  rrect 1.325x0.6 smd: 1(-1.137,0.95) 2(-1.137,0) 3(-1.137,-0.95) 4(1.137,-0.95) 5(1.137,0.95)
SOT-23-6
  rrect 1.325x0.6 smd: 1(-1.137,0.95) 2(-1.137,0) 3(-1.137,-0.95) 4(1.137,-0.95) 5(1.137,0) 6(1.137,0.95)
Spacer PCB hole
  round 3.7 hole 3.7 unplated: (0,0)
SSD1306-0.91-OLED-4pin-128x32
  round 1.7 hole 1: 1(18.5,3.81)
  oval 1.7x1.7 hole 1: 2(18.5,1.27) 3(18.5,-1.27) 4(18.5,-3.81)
Stabilizer_Cherry_MX_2.00u
  round 3.048 hole 3.048 unplated: (-11.938,6.985) (11.938,6.985)
  round 3.988 hole 3.988 unplated: (-11.938,-8.225) (11.938,-8.225)
SW_MX_HotSwap_Reversible
  round 1.702 hole 1.702 unplated: (-5.08,0) (5.08,0)
  round 3 hole 3 unplated: (-3.81,2.54) (-2.54,5.08) (2.54,5.08) (3.81,2.54)
  round 3.988 hole 3.988 unplated: (0,0)
  custom 2.4x2.4 smd far side: 1(-6.9,2.54) 2(5.75,5.08)
  custom 2.4x2.4 smd: 1(-5.75,5.08) 2(6.9,2.54)
SW_MX_HotSwap_Reversible_Encoder
  round 3 hole 3 unplated: (-3.81,2.54) (-2.54,5.08) (2.54,5.08) (3.81,2.54)
  round 3.988 hole 3.988 unplated: (0,0)
  custom 2.4x2.4 smd far side: 1(-6.9,2.54) 2(5.75,5.08)
  custom 2.4x2.4 smd: 1(-5.75,5.08) 2(6.9,2.54)
  round 2 hole 1: 1(-2.5,7) 2(2.5,7) A(-2.5,-7.5) B(2.5,-7.5) C(0,-7.5)
  round 2.4 hole 2: MP(-5.25,0) MP(5.25,0)
USON-8_4x3mm_P0.8mm
  rrect 0.75x1.21 smd: (0,-0.8) (0,0.8)
  rrect 0.65x0.4 smd: 1(-1.25,1.2) 2(-1.25,0.4) 3(-1.25,-0.4) 4(-1.25,-1.2) 5(1.25,-1.2) 6(1.25,-0.4) 7(1.25,0.4) 8(1.25,1.2)
  rect 0.2x0.8 smd: 9(0,-0.8) 9(0,0.8)
YTS-A002
  round 0.7 hole 0.7 unplated: (-0.85,0) (0.85,0)
  rrect 1x1.1 smd: 1(-2.095,-1.355) 2(2.095,-1.355)
  rrect 1.1x1.1 smd: 3(-2.55,0.35) 3(2.55,0.35)
